# Altium PCB Grandmaster.PcbDoc (part 3 of 3)
Units mil, origin at the board's own origin, x right, y up, seen from the top; angles counter-clockwise.
Board outline 7087.6 x 4375.98 mil, 6 copper layers (TOP, SGND, IN1, IN2, SGND1, BOTTOM), stack 47.2 mil thick; 162 components, 146 nets, 938 pads, 430 vias.
Unrouted connection lines stored in the file: 225.
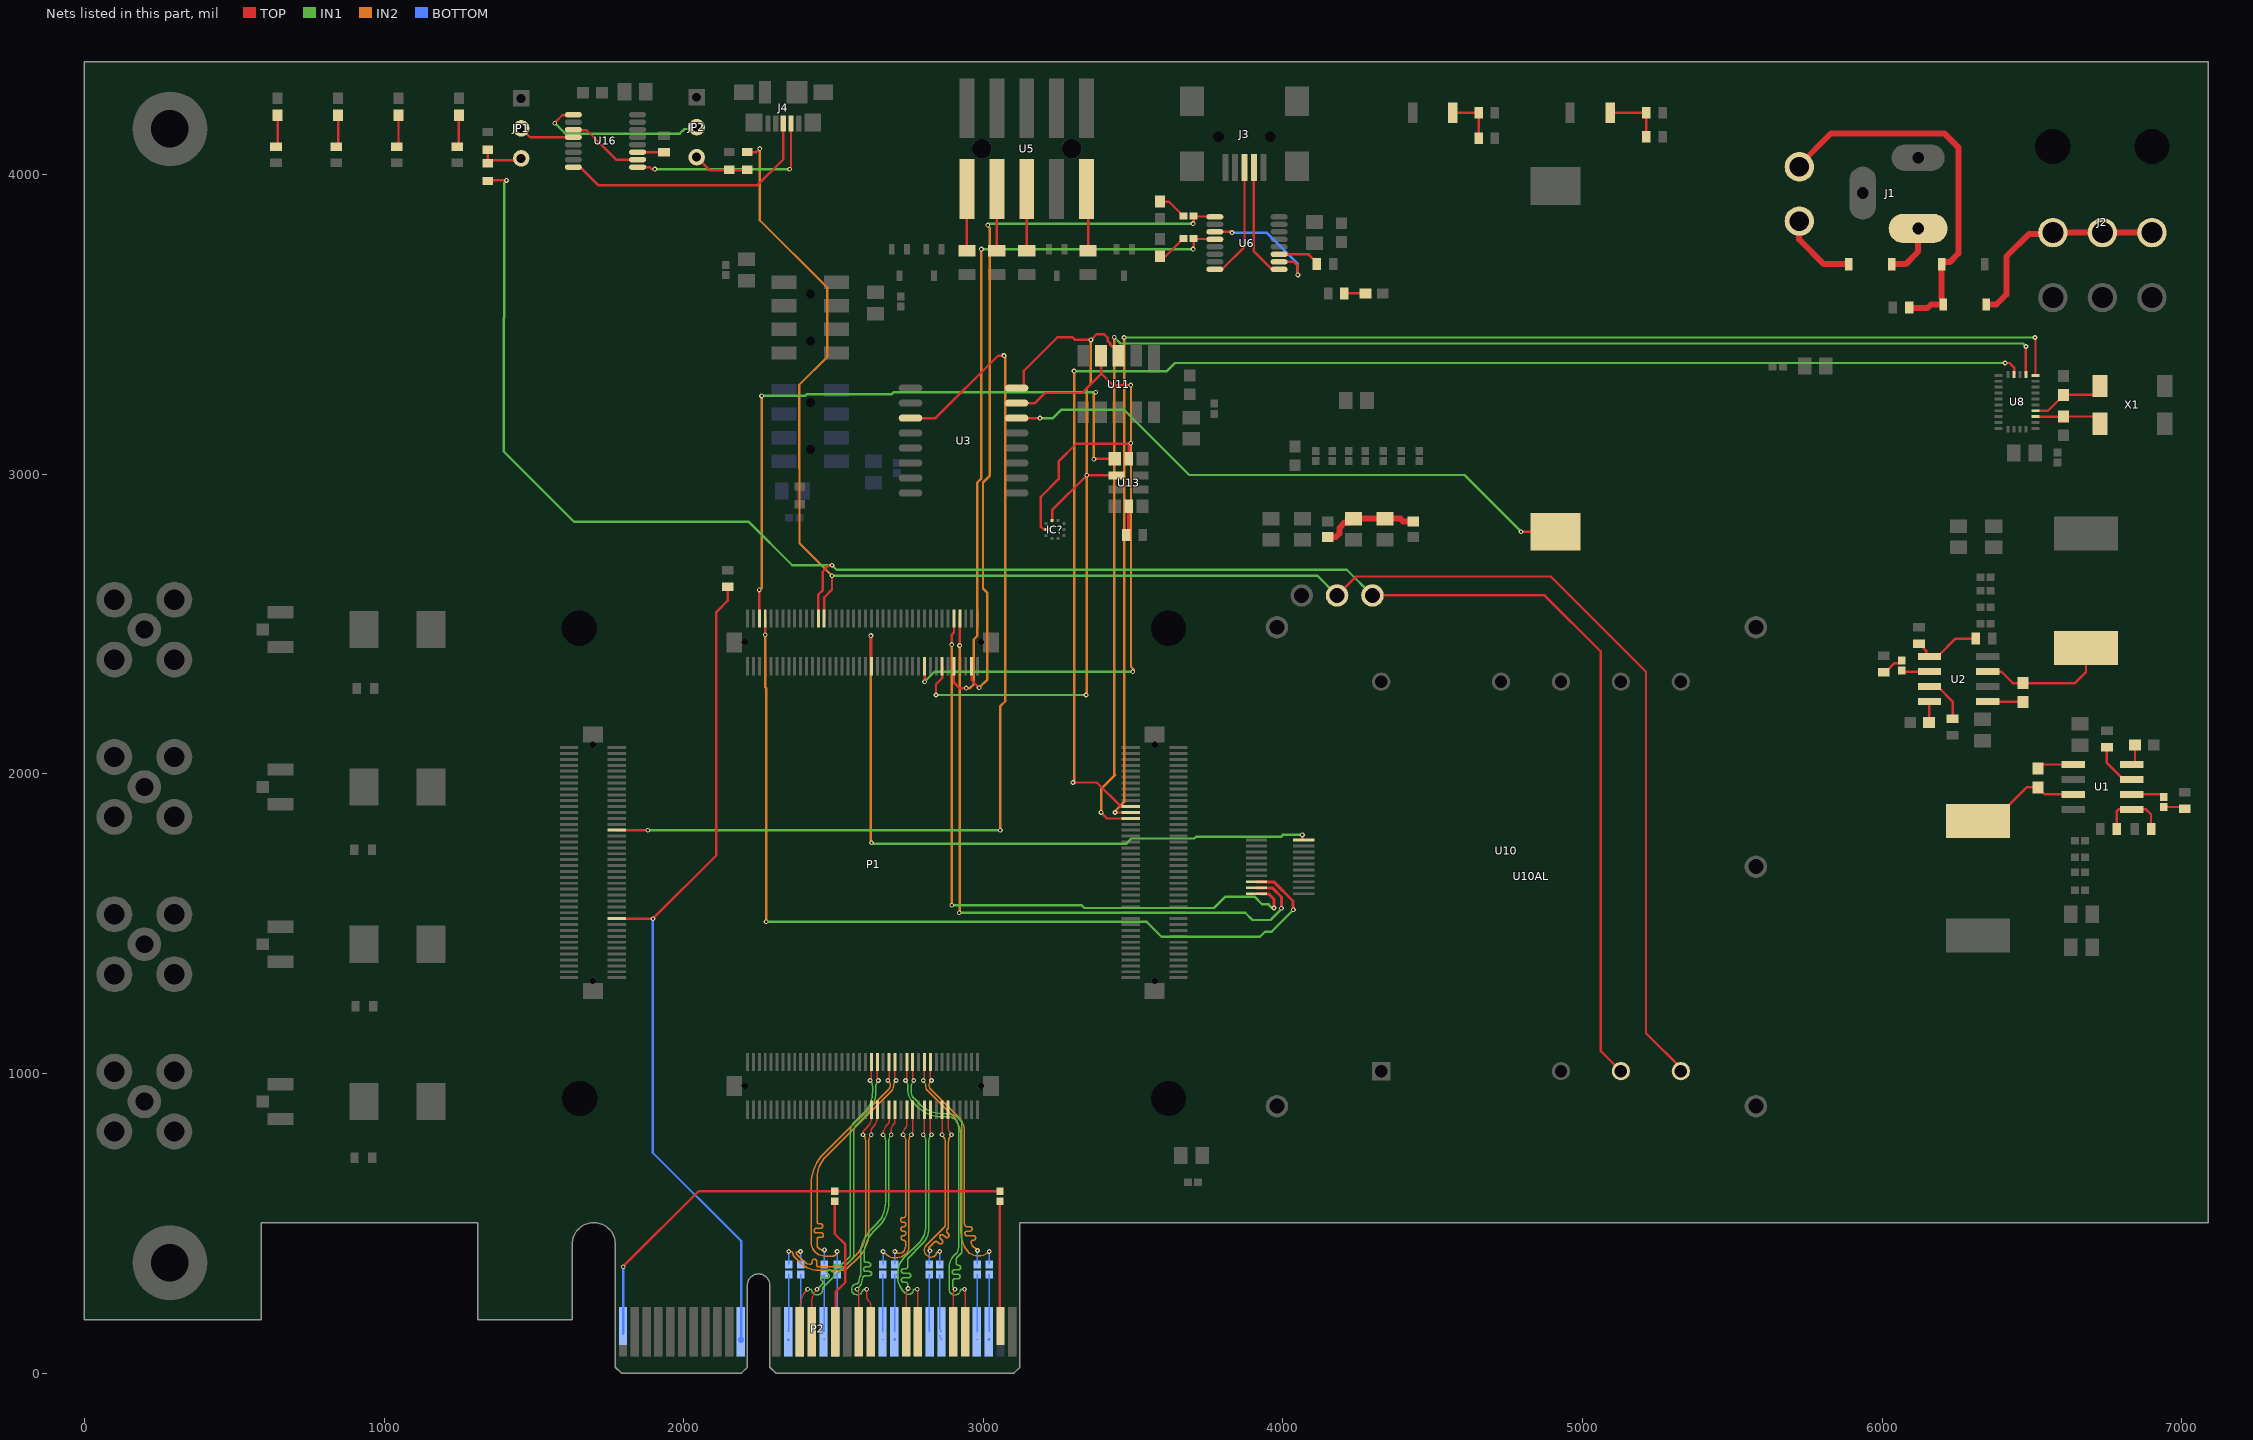
[diagram p7: the nets of this part, all layers, seen from the top]

## Via types
v1: diameter 16, hole 8, TOP to BOTTOM, 426 vias
v2: diameter 200, hole 125.98, TOP to BOTTOM, 4 vias

## Nets (pads, with @x,y where several pads share a name; then routed paths per layer and width w, separated by ;. In a path a pad name is that pad's centre, name@x,y a point inside that pad or via, vN(x,y) a via of type N, cw(c..) or ccw(c..) an arc to the next point about the centre after c; other vN are vias at no path point) (continued)
MAC_PPS_OUT-: P1.2-43 U10.19 | length 2267.8
  TOP w8: v1@2625.6,2461.82 v1(2624.84,2461.06) 2626.36,2459.54 P1.2-43@2626.36,2358.81 ; v1(4064.84,1796.06) 4064.84,1780.54 4065.76,1779.62 U10.19@4068.9,1779.62
  IN1 w8: v1(2626.84,1770.06) 2629.01,1770.06 2633.01,1766.06 3475.84,1766.06 3493.84,1784.06 3703.9,1784.06 3709.9,1790.06 3993.71,1790.06 3999.71,1796.06 v1(4064.84,1796.06)
  IN2 w8: v1(2624.84,2461.06) 2624.84,1777.72 2625.31,1777.25 2625.31,1771.59 v1(2626.84,1770.06)
MAC_RX: P1.2-28 R13.1 U10.P7 U10AL.6 | length 6085.6
  TOP w8: R13.1@2212.6,4074.8 2242.13,4074.8 v1(2253.94,4086.61) ; P1.2-28@2468.88,2518.25 2468.88,2588.85 2494.84,2614.81 v1(2494.84,2661.06) ; U10.P7@4180.51,2595.34 4243.64,2658.46 4893.7,2658.46 5211.61,2340.55 5211.61,1133.86 5327.76,1017.72 U10AL.6@5327.76,1007.48
  IN1 w8: v1(2494.84,2661.06) 4114.79,2661.06 U10.P7@4180.51,2595.34
  IN2 w8: v1(2253.94,4086.61) 2253.94,3847.44 2479.33,3622.05 2479.33,3391.73 2385.83,3298.23 2385.83,3019.69 2386.5,3019.01 2386.5,2769.41 v1(2494.84,2661.06)
MAC_TX: P1.2-26 R11.1 U10.P8 U10AL.5 | length 6539.1
  TOP w8: R11.1@1346.46,3978.35 1348.43,3980.32 v1(1408.46,3980.32) ; P1.2-26@2449.19,2518.25 2449.19,2597.81 2463.58,2612.2 2463.58,2674.21 2484,2694.63 2493.41,2694.63 v1(2494.84,2696.06) ; U10.P8@4298.62,2595.34 4873.16,2595.34 5061.02,2407.48 5061.02,1074.21 U10AL.5@5127.76,1007.48
  IN1 w8: v1(1408.46,3980.32) 1408.46,3979.5 1400.59,3971.63 1400.59,3523.52 1399.61,3522.54 1399.61,3075.79 1634.84,2840.55 2217.52,2840.55 2362.01,2696.06 v1(2494.84,2696.06) 2509.84,2681.06 4212.9,2681.06 U10.P8@4298.62,2595.34
MAC_USB+: P1.2-72 U10.2 | length 2165.5
  TOP w8: v1(2894.84,2431.06) 2894.84,2465 2901.95,2472.11 P1.2-72@2901.95,2518.25
  TOP w10: U10.2@3911.42,1599.62 3925.48,1599.62 3925.56,1599.54 3951.36,1599.54 3969.84,1581.06 v1(3969.84,1552.06)
  IN1 w8: v1(2894.84,1561.06) 3327.84,1561.06 3336.84,1552.06 3769.84,1552.06 3807.84,1590.06 3904.78,1590.06 3930.84,1564 3951.9,1564 3963.84,1552.06 v1(3969.84,1552.06)
  IN2 w8: v1(2894.84,1561.06) v1(2894.84,2431.06)
MAC_USB-: P1.2-74 U10.4 | length 2219.5
  TOP w8: v1(2920.84,2428.06) 2920.74,2428.17 2920.74,2517.36 P1.2-74@2921.63,2518.25
  TOP w10: U10.4@3911.42,1619.62 3911.5,1619.54 3964.36,1619.54 3994.84,1589.06 v1(3994.84,1551.06)
  IN1 w8: v1(2919.84,1536.06) 3873.78,1536.06 3897.78,1512.06 3958.13,1512.06 3989.84,1543.78 3989.84,1543.9 3994.84,1548.9 v1(3994.84,1551.06)
  IN2 w8: v1(2919.84,1536.06) 2920.84,1537.06 v1(2920.84,2428.06)
MAC_USB_PWR: P1.2-8 U10.6 | length 3009.9
  TOP w8: v1(2272.03,2463.87) P1.2-8@2272.03,2518.25
  TOP w10: U10.6@3911.42,1639.62 3911.5,1639.54 3969.36,1639.54 4033.69,1575.21 4033.69,1547.21 v1(4034.84,1546.06)
  IN1 w8: v1(2274.84,1506.06) 3544.84,1506.06 3594.84,1456.06 3922.84,1456.06 3939.84,1473.06 3961.84,1473.06 v1(4034.84,1546.06)
  IN2 w8: v1(2272.03,2463.87) 2272.03,2289.16 2274.84,2286.35 v1(2274.84,1506.06)
MISO: P1.1-23 U8.20 | length 4817.9
  TOP w8: v1(3439.25,1870.94) 3491.9,1870.94 P1.1-23@3492.02,1870.81 ; v1(6509.84,3456.06) 6511.36,3454.55 U8.20@6511.36,3329.65
  IN1 w8: v1(3469.84,3456.06) v1(6509.84,3456.06)
  IN2 w8: v1(3439.25,1870.94) 3439.25,1874.79 3438.91,1875.13 3469.84,1906.06 v1(3469.84,3456.06)
MOSI: P1.1-21 U8.17 | length 4779.6
  TOP w8: v1(3298.84,1971.06) 3378.48,1971.06 3459.04,1890.5 P1.1-21@3492.02,1890.5 ; v1(6409.84,3371.06) 6424.84,3371.06 6440,3355.91 U8.17@6440,3332.11
  IN1 w8: v1(3302.84,3344.06) 3612.56,3344.06 3639.56,3371.06 v1(6409.84,3371.06)
  IN2 w8: v1(3298.84,1971.06) 3298.84,1973.23 3302.84,1977.23 v1(3302.84,3344.06)
NetBT1_2: BT1.2 U3.14 | length 1984.5
  TOP w8: U3.14@3111.22,3187.2 3111.32,3187.11 3188.88,3187.11 v1(3188.98,3187.01) ; v1@4795.28,2809.06 v1(4794.29,2808.07) BT1.2@4909.45,2808.07 ; BT1.2@4884.84,2789.37 BT1.2@4887.8,2786.42
  IN1 w8: v1(3188.98,3187.01) 3232.28,3187.01 3260.83,3215.55 3468.5,3215.55 3687.01,2997.05 4605.31,2997.05 v1(4794.29,2808.07)
NetC3_1: C3.1 U2.1 | length 118.2
  TOP w8: U2.1@6352.28,2241.06 6468.35,2241.06 C3.1@6469.84,2239.57
NetC3_2: C3.2 L2.2 U2.3 | length 439.5
  TOP w8: U2.3@6352.28,2341.06 6397.13,2341.06 6435.63,2302.56 C3.2@6469.84,2302.56 6643.11,2302.56 6679.84,2339.29 L2.2@6679.84,2420.12
NetC4_1: C4.1 U1.1 | length 123.2
  TOP w8: C4.1@6519.84,2017.56 6533.35,2031.06 U1.1@6637.4,2031.06
NetC4_2: C4.2 L1.2 U1.3 | length 374.5
  TOP w8: L1.2@6319.84,1842.01 6369.06,1842.01 6481.61,1954.57 C4.2@6519.84,1954.57 6519.84,1953.58 6542.36,1931.06 U1.3@6637.4,1931.06
NetC19_2: C19.2 U1.8 | length 71.8
  TOP w8: U1.8@6832.28,2031.06 6836.13,2031.06 6843.35,2038.28 C19.2@6843.35,2096.06
NetC20_1: C20.1 U1.6 | length 110.9
  TOP w8: U1.6@6832.28,1931.06 6931.77,1931.06 C20.1@6939.84,1922.99
NetC20_2: C20.2 R8.2 | length 72.2
  TOP w8: C20.2@6939.84,1889.13 7004.61,1889.13 R8.2@7009.84,1883.9
NetC21_2: C21.2 U2.8 | length 70.4
  TOP w8: C21.2@6156.34,2171.06 6156.34,2240 U2.8@6157.4,2241.06
NetC22_1: C22.1 U2.6 | length 93.8
  TOP w8: C22.1@6064.84,2344.13 6067.91,2341.06 U2.6@6157.4,2341.06
NetC22_2: C22.2 R9.2 | length 76.2
  TOP w8: R9.2@6004.84,2338.9 6010.35,2338.9 6040.98,2369.52 6056.37,2369.52 C22.2@6064.84,2377.99
NetC44_1: C44.1 P2.A13 | length 194.3
  BOTTOM w5: P2.A13@2348.43,137.8 ccw(c2345,141.22) 2349.84,141.22 C44.1@2349.84,329.13 ccw(c2351.36,327.61) C44.1@2349.21,327.61
  BOTTOM w8: P2.A13@2349.21,111.06 P2.A13@2349.84,111.69
NetC45_1: C45.1 P2.A14 | length 191.9
  BOTTOM w5: P2.A14@2387.8,137.8 ccw(c2382.85,142.74) 2389.84,142.74 C45.1@2389.84,329.13
NetC46_1: C46.1 P2.A16 | length 196
  BOTTOM w5: P2.A16@2466.54,137.8 ccw(c2460.96,143.37) 2468.84,143.37 C46.1@2468.84,329.13 ; P2.A16@2467.33,111.07 ccw(c2463.65,114.73) P2.A16@2468.84,114.73
NetC47_1: C47.1 P2.A17 | length 192.9
  BOTTOM w5: P2.A17@2505.91,137.8 ccw(c2491.57,152.13) 2511.84,152.13 C47.1@2511.84,329.13
NetC48_1: C48.1 P2.A21 | length 193.5
  BOTTOM w5: P2.A21@2663.39,137.8 ccw(c2659.87,141.31) 2664.84,141.31 C48.1@2664.84,329.13 ; P2.A21@2664.17,111.06 ccw(c2662.55,112.68) P2.A21@2664.84,112.68
NetC49_1: C49.1 P2.A22 | length 197.2
  BOTTOM w5: P2.A22@2702.76,137.8 ccw(c2697.72,142.83) 2704.84,142.83 C49.1@2704.84,329.13 ; P2.A22@2703.54,111.06 ccw(c2700.4,114.2) P2.A22@2704.84,114.2
  BOTTOM w8: P2.A22@2703.54,111.06 P2.A22@2704.84,112.36
NetC50_1: C50.1 P2.A25 | length 196.5
  BOTTOM w5: P2.A25@2820.87,137.8 cw(c2823.33,140.26) 2819.84,140.26 C50.1@2819.84,329.13 cw(c2815.47,324.76) C50.1@2821.65,324.76
NetC51_1: C51.1 P2.A26 | length 209.4
  BOTTOM w5: P2.A26@2854.84,125.98 ccw(c2875.94,125.98) P2.A26@2861,111.08 ; C51.1@2854.84,329.13 2854.84,150.81 ccw(c2873.25,150.81) P2.A26@2860.24,137.8
NetC52_1: C52.1 P2.A29 | length 195.5
  BOTTOM w5: P2.A29@2978.35,137.8 ccw(c2974.73,141.41) 2979.84,141.41 C52.1@2979.84,329.13 ccw(c2981.56,327.42) C52.1@2979.13,327.42 ; P2.A29@2979.13,111.06 ccw(c2977.42,112.78) P2.A29@2979.84,112.78
NetC53_1: C53.1 P2.A30 | length 197.4
  BOTTOM w5: P2.A30@3017.72,137.8 ccw(c3012.58,142.93) 3019.84,142.93 C53.1@3019.84,329.13 ccw(c3023.08,325.9) C53.1@3018.5,325.9
  BOTTOM w8: P2.A30@3018.5,111.06 P2.A30@3019.84,112.4
NetC72_2: C72.2 C73.2 FB2.2 FB3.1 | length 325.1
  TOP w20: FB3.1@4149.84,2789.88 4150.02,2790.06 4176.13,2790.06 4187.84,2801.78 4187.84,2820.06 4206.64,2838.86 4222.2,2838.86 C73.2@4234.84,2851.5 C72.2@4339.84,2851.5 4391.84,2851.5 4401.09,2842.24 FB2.2@4434.84,2842.24
NetC85_2: C85.2 U8.27 X1.1 | length 227.4
  TOP w8: U8.27@6511.36,3191.85 6604.13,3191.85 C85.2@6604.84,3192.56 6704.98,3192.56 6726.57,3170.97 X1.1@6726.57,3168.07
NetC86_2: C86.2 U8.26 X1.4 | length 254.6
  TOP w8: U8.26@6511.36,3211.54 6552.8,3211.54 6604.84,3263.58 C86.2@6604.84,3264.57 6704.98,3264.57 6726.57,3286.16 X1.4@6726.57,3294.06
NetD1_1: D1.1 SW1.2 | length 272
  TOP w20: SW1.2@5722.05,3844.49 5722.05,3783.86 5804.84,3701.06 5880.12,3701.06 5887.99,3708.94 D1.1@5887.99,3701.06
NetD1_2: D1.2 J1.1 | length 182.3
  TOP w20: D1.2@6031.69,3701.06 6077.84,3701.06 6119.84,3743.06 J1.1@6119.84,3819.84
NetD2_1: D2.1 D3.1 F1.1 SW1.1 | length 1292.4
  TOP w20: SW1.1@5725.39,4033.46 5829.09,4137.17 6207.32,4137.17 6253.94,4090.55 6253.94,3736.22 6226.33,3708.61 6200.79,3708.61 6197.99,3705.82 D3.1@6197.99,3701.06 6197.99,3588.45 6200.2,3586.24 6200.2,3568.86 D2.1@6202.99,3566.06 6162.84,3566.06 6150.84,3554.06 6094.18,3554.06 6094.18,3565.75 6090.01,3561.57 F1.1@6090.01,3556.06
NetD2_2: D2.2 J2.1 J2.2 J2.3 | length 727.3
  TOP w20: D2.2@6346.69,3566.06 6381.02,3566.06 6414.37,3599.41 6414.37,3726.38 6490.28,3802.28 6565.71,3802.28 J2.1@6569.49,3806.06 J2.2@6734.84,3806.06 J2.3@6900.2,3806.06
NetD4_1: D4.1 R1.2 | length 70.7
  TOP w8: R1.2@4204.92,3603.35 D4.1@4275.59,3603.35
NetD9_1: D9.1 R25.2 | length 98.4
  TOP w8: D9.1@3589.84,3909.61 3618.58,3909.61 3667.13,3861.06 R25.2@3668.11,3861.06
NetD10_1: D10.1 R26.2 | length 102.5
  TOP w8: D10.1@3589.84,3727.52 3608.58,3727.52 3667.13,3786.06 R26.2@3668.11,3786.06
NetD11_1: D11.1 R28.2 | length 106.7
  TOP w8: R28.2@638.97,4093.23 644.84,4099.1 D11.1@644.84,4197.52
NetD12_1: D12.1 R29.2 | length 101.7
  TOP w8: R29.2@840.64,4093.23 846.51,4099.1 D12.1@846.51,4192.52
NetD13_1: D13.1 R30.2 | length 101.7
  TOP w8: R30.2@1042.3,4093.23 1048.18,4099.1 D13.1@1048.18,4192.52
NetD14_1: D14.1 R31.2 | length 101.7
  TOP w8: R31.2@1243.97,4093.23 1249.84,4099.1 D14.1@1249.84,4192.52
NetJ3_2: J3.2 U6.9 | length 389.2
  TOP w8: J3.2@3902.95,4023.7 3902.95,3743.55 3958.8,3687.7 3960.67,3687.7 3964.81,3683.56 U6.9@3987.13,3683.56
NetJ3_3: J3.3 U6.8 | length 395.3
  TOP w8: U6.8@3772.56,3683.56 3794.87,3683.56 3799.02,3687.7 3800.88,3687.7 3871.46,3758.28 J3.3@3871.46,4023.7
NetJ4_2: J4.2 U16.9 | length 664.7
  TOP w8: U16.9@1846.13,4024.56 1886.85,4024.56 1893.35,4018.06 v1(1903.84,4018.06) ; v1(2353.35,4017.72) 2358.16,4022.53 J4.2@2358.16,4170.34
  IN1 w8: v1(1903.84,4018.06) 1904.19,4017.72 v1(2353.35,4017.72)
NetJ4_3: J4.3 U16.8 | length 881.8
  TOP w8: U16.8@1631.56,4024.56 1653.87,4024.56 1658.73,4019.7 1659.2,4019.7 1715.32,3963.58 2245.08,3963.58 2332.57,4051.07 J4.3@2332.57,4170.34
NetJP1_2: JP1.2 U16.4 | length 186
  TOP w8: JP1.2@1457.68,4153.94 1487.05,4124.56 U16.4@1631.56,4124.56
NetJP1_3: JP1.3 R10.2 R11.2 | length 163.3
  TOP w8: R10.2@1346.46,4082.68 R11.2@1346.46,4037.4 1356.24,4047.18 1450.92,4047.18 JP1.3@1457.68,4053.94
NetJP2_2: JP2.2 U16.1 | length 569.2
  TOP w8: v1(1569.88,4171.26) 1569.88,4173.23 1594.36,4197.7 1629.7,4197.7 U16.1@1631.56,4199.56
  IN1 w8: v1(1569.88,4171.26) 1605.08,4136.06 1986.37,4136.06 2002.37,4152.06 JP2.2@2043.31,4152.06
NetJP2_3: JP2.3 R12.2 R13.2 | length 185.2
  TOP w8: JP2.3@2043.31,4057.87 2086.42,4014.76 2151.57,4014.76 R13.2@2210.63,4014.76
NetP2_B17: P2.B17 R23.2 | length 464.6
  TOP w8: R23.2@2503.94,573.82 2503.94,464.57 2539.37,429.13 2539.37,303.15 2507.87,271.65 2507.87,139.76 P2.B17@2505.91,137.8
NetP2_B31: P2.B31 R24.2 | length 422.9
  TOP w8: R24.2@3053.15,571.85 R24.2@3055.12,573.82 3055.12,159.26 P2.B31@3057.09,157.3 ; P2.B31@3057.87,130.56 P2.B31@3059.84,132.53
NetR2_1: R2.1 U1.7 | length 158.1
  TOP w8: R2.1@6749.84,2088.9 6749.84,2035.94 6804.72,1981.06 U1.7@6832.28,1981.06
NetR3_1: R3.1 U2.7 | length 156.1
  TOP w8: U2.7@6157.4,2291.06 6184.96,2291.06 6234.84,2241.18 R3.1@6234.84,2183.23
NetR4_2: R4.2 R6.2 U1.5 | length 259.2
  TOP w8: R6.2@6782.01,1816.06 6782.01,1874.53 6788.54,1881.06 U1.5@6832.28,1881.06 ; U1.5@6804.72,1881.06 U1.5@6832.28,1881.06 ; R4.2@6897.01,1816.06 6897.01,1864.8 6880.75,1881.06 U1.5@6832.28,1881.06
NetR5_1: R5.1 R7.2 U2.5 | length 242.3
  TOP w8: R5.1@6122.84,2433.9 6128.35,2433.9 6138.53,2423.72 6138.53,2418.21 6147.14,2409.6 6147.14,2398.28 6154.36,2391.06 U2.5@6157.4,2391.06 6184.96,2391.06 6244.96,2451.06 R7.2@6312.68,2451.06
NetR18_2: R18.2 U5.1 | length 205.6
  TOP w8: R18.2@2944.84,3745.43 U5.1@2944.84,3951.06
NetR19_2: R19.2 U5.3 | length 205.6
  TOP w8: R19.2@3044.84,3745.43 U5.3@3044.84,3951.06
NetR20_2: R20.2 U5.5 | length 205.6
  TOP w8: R20.2@3144.84,3745.43 U5.5@3144.84,3951.06
NetR21_2: R21.2 U5.9 | length 207.7
  TOP w8: U5.9@3344.84,3951.06 3349.84,3946.06 R21.2@3349.84,3745.43
NetR27_2: R27.2 U6.11 | length 142.2
  TOP w8: U6.11@3987.13,3733.56 4085.69,3733.56 4112.68,3706.57 R27.2@4112.68,3701.06
NetR32_1: R32.1 R34.2 S5.2 | length 170.9
  TOP w8: S5.2@4566.77,4206.06 R32.1@4652.68,4206.06 R34.2@4652.68,4121.06
NetR33_1: R33.1 R35.2 S6.2 | length 200.9
  TOP w8: S6.2@5091.77,4206.06 R33.1@5212.68,4206.06 R35.2@5212.68,4126.06
NetR42_1: R42.1 U13.5 | length 98.2
  TOP w10: R42.1@3477.68,2797.06 3484.84,2804.23 U13.5@3484.84,2892.34
NetR43_2: R43.2 U16.11 | length 87.9
  TOP w8: U16.11@1846.13,4074.56 1933.51,4074.56 R43.2@1933.84,4074.9
NetU6_3: U6.3 U6.10 | length 455.8
  TOP w8: U6.3@3772.56,3808.56 3827.34,3808.56 v1(3829.84,3806.06) ; U6.10@3987.13,3708.56 4035.85,3708.56 4049.84,3694.57 v1(4049.84,3665.06)
  BOTTOM w8: v1(3829.84,3806.06) 3944.84,3806.06 4049.84,3701.06 v1(4049.84,3665.06)
NetU16_3: U16.3 U16.10 | length 256
  TOP w8: U16.3@1631.56,4149.56 1633.42,4147.7 1676.2,4147.7 1774.34,4049.56 U16.10@1846.13,4049.56
OE_5356: P1.2-6 U13.1 | length 2171
  TOP w8: P1.2-6@2252.34,2518.25 v1(2252.34,2613.56) ; v1(3368.84,3050.06) 3371.01,3050.06 3372.73,3051.79 U13.1@3438.58,3051.79
  IN1 w8: v1(2259.84,3261.06) 2405.58,3261.06 2411.18,3266.65 2693.63,3266.65 2700.04,3273.06 v1(3374.84,3273.06) 3373.31,3271.53 3367.65,3271.53 3366.69,3270.56
  IN2 w8: v1(2252.34,2613.56) 2259.84,2621.06 v1(2259.84,3261.06) ; v1(3368.84,3050.06) 3368.84,3264.9 3374.84,3270.9 v1(3374.84,3273.06)
PCIE_CLK_N: C45.2 P1.4-38 | length 825.7
  TOP w5: v1(2598.43,795.28) cw(c2626.94,795.28) 2606.78,815.44 2618.11,826.77 ccw(c2598.16,846.72) 2626.37,846.72 P1.4-38@2626.37,878.87
  IN2 w5: v1(2389.76,405.51) cw(c2388.16,407.12) 2388.16,404.85 2380.58,404.85 ccw(c2380.58,399.85) 2377.04,403.38 ccw(c2380.58,399.85) 2375.58,399.85 ccw(c2380.58,399.85) 2377.04,396.31 2397.3,376.05 ccw(c2449.75,428.5) 2409.45,366.23 ccw(c2449.75,428.5) 2411.95,364.68 2419.07,362.73 ccw(c2421.05,369.97) 2428.55,369.97 2428.55,372.22 cw(c2436.05,372.22) 2443.55,372.22 2443.55,361.75 ccw(c2451.05,361.75) 2449.07,354.52 2449.75,354.33 2460.63,354.33 2468.55,354.33 2535.43,354.33 2577.42,396.31 ccw(c2506.7,467.02) 2606.7,467.02 2606.7,775.14 ccw(c2578.44,775.14) 2598.43,795.13 v1(2598.43,795.28)
  BOTTOM w5: v1(2389.76,405.51) 2389.76,363.07 C45.2@2389.84,362.99
PCIE_CLK_P: C44.2 P1.4-36 | length 828.6
  TOP w5: v1(2625.98,795.28) 2625.98,809.39 cw(c2639.43,809.39) 2629.92,818.9 ccw(c2590.98,857.84) 2646.05,857.84 P1.4-36@2646.05,878.87
  IN2 w5: v1(2350.39,405.51) ccw(c2352,407.12) 2352,404.85 2359.58,404.85 cw(c2359.58,399.85) 2363.11,403.38 cw(c2359.58,399.85) 2364.58,399.85 2364.58,397.57 ccw(c2375.08,397.57) 2367.65,390.15 2389.63,368.17 ccw(c2449.59,428.12) 2449.59,343.33 2535.48,343.33 ccw(c2535.48,354.21) 2543.18,346.52 2585.23,388.57 ccw(c2506.84,466.97) 2617.7,466.97 2617.7,775.14 cw(c2645.97,775.14) 2625.98,795.13 v1(2625.98,795.28)
  BOTTOM w5: C44.2@2349.84,362.99 ccw(c2348.51,364.32) 2350.39,364.32 v1(2350.39,405.51)
PCIE_PERST: P1.3-21 P2.A11 R22.1 | length 2867.4
  TOP w8: P1.3-21@1776.55,1516.52 v1(1897.3,1516.52) 2108.84,1728.06 2108.84,2540.06 2146.84,2578.06 R22.1@2146.84,2624.9 R22.1@2141.33,2624.9
  BOTTOM w8: v1(1897.3,1516.52) 1896.84,1516.06 1896.84,735.06 2191.73,440.17 P2.A11@2191.73,111.06
  BOTTOM w20: P2.A11@2190.61,112.19 P2.A11@2191.73,111.06
PCIE_RX0_N: P1.4-37 P2.B15 | length 1072
  TOP w5: P2.B15@2418.84,133.06 ccw(c2449.95,133.06) P2.B15@2427.95,111.06 ; P2.B15@2427.17,137.8 2427.17,236.76 cw(c2487.65,236.76) v1(2444.88,279.53) ; v1(2622.05,976.38) ccw(c2622.05,980.7) 2626.37,980.7 P1.4-37@2626.37,1038.31
  IN1 w5: v1(2444.88,279.53) 2460.63,295.28 2462.4,297.04 ccw(c2457.09,302.35) 2462.4,307.65 2459.1,310.95 cw(c2464.41,316.25) 2459.1,321.55 cw(c2464.41,316.25) 2469.71,321.55 2473,318.26 ccw(c2478.31,323.56) 2483.61,318.26 ccw(c2478.31,323.56) 2483.61,328.86 2481.14,331.33 cw(c2486.45,336.64) 2481.14,341.94 cw(c2486.45,336.64) 2491.75,341.94 2494.22,339.47 ccw(c2499.52,344.77) 2504.82,339.47 ccw(c2499.52,344.77) 2504.82,350.08 cw(c2510.13,355.38) 2504.82,360.68 cw(c2510.13,355.38) 2515.43,360.68 ccw(c2520.73,365.99) 2526.04,360.68 2543.59,378.24 2553.72,388.36 ccw(c2548.38,393.7) 2555.93,393.7 2555.93,802.55 cw(c2606.86,802.55) 2570.85,838.56 2601.04,868.75 ccw(c2530.33,939.46) 2630.33,939.46 2630.33,956.24 ccw(c2602.06,956.24) 2622.05,976.23 v1(2622.05,976.38)
PCIE_RX0_P: P1.4-35 P2.B14 | length 1047.6
  TOP w5: P2.B14@2387.8,137.8 2387.8,217.75 cw(c2475.17,217.75) v1(2413.39,279.53) ; P1.4-35@2646.05,1038.31 2646.05,979.93 ccw(c2649.61,979.93) v1(2649.61,976.38)
  IN1 w5: v1(2413.39,279.53) 2421.89,279.53 cw(c2421.92,274.53) 2426.81,275.59 ccw(c2444.88,279.53) 2463.3,281.25 cw(c2468.28,281.71) 2464.73,285.24 2563.39,383.89 ccw(c2554.48,392.78) 2566.93,390.94 2566.93,802.55 cw(c2606.93,802.52) 2578.64,830.8 2608.85,861.01 ccw(c2530.46,939.41) 2641.33,939.41 2641.33,956.24 cw(c2669.59,956.24) 2649.61,976.23 v1(2649.61,976.38)
PCIE_RX1_N: P1.4-32 P2.B20 | length 892.1
  TOP w5: v1(2610.24,279.53) 2610.24,259.17 ccw(c2637.12,259.17) 2618.11,240.16 cw(c2603.85,225.9) 2624.02,225.9 P2.B20@2624.02,137.8 ; P2.B20@2612.84,139.94 ccw(c2653.68,139.94) P2.B20@2624.8,111.06 ; v1(2665.35,795.28) cw(c2712.88,795.28) 2679.26,828.87 ; 2679.27,828.88 2681.1,830.71 ccw(c2670.67,841.14) 2685.42,841.14 P1.4-32@2685.42,878.87
  IN1 w5: v1(2610.24,279.53) 2604.64,279.53 ccw(c2604.64,264.73) 2600.06,278.8 ccw(c2601.59,274.04) 2596.74,275.27 2596.72,275.19 cw(c2578.74,279.53) 2577.23,297.97 ccw(c2576.82,302.95) 2581.16,300.46 cw(c2620.76,277.78) 2583.32,303.88 ccw(c2579.22,306.74) 2584.08,305.54 2587.93,320.74 cw(c2604.91,316.53) 2589.47,324.77 ccw(c2585.06,327.12) 2590.06,327.12 2590.06,404.43 cw(c2595.06,404.43) 2590.08,404.83 cw(c2697.82,396.31) 2608.51,457.17 cw(c2699.5,406.62) 2625.9,480.23 2644.34,498.68 ccw(c2573.63,569.39) 2673.63,569.39 2673.63,775.14 ccw(c2645.37,775.14) 2665.35,795.13 v1(2665.35,795.28)
PCIE_RX1_P: P1.4-30 P2.B19 | length 879.8
  TOP w5: P2.B19@2575.84,134.22 ccw(c2608.58,134.22) P2.B19@2585.43,111.06 ; v1(2578.74,279.53) cw(c2564.48,265.27) 2584.65,265.27 P2.B19@2584.65,137.8 ; v1(2692.91,795.28) 2692.91,811.7 cw(c2719.8,811.7) 2700.79,830.71 ccw(c2690.35,841.15) 2705.11,841.15 P1.4-30@2705.11,878.87
  IN1 w5: v1(2578.74,279.53) ccw(c2521.71,336.56) 2591,295.28 ccw(c2521.71,336.56) 2592.43,297.78 2597.64,318.37 cw(c2604.91,316.53) 2604.91,324.03 2619.73,324.03 ccw(c2619.73,331.53) 2619.73,339.03 2607.56,339.03 cw(c2607.56,346.53) 2607.56,354.03 2616.09,354.03 ccw(c2616.09,361.53) 2616.09,369.03 2609.86,369.03 cw(c2609.86,376.53) 2602.36,376.53 2602.36,387.26 2602.36,389.76 2602.36,396.82 cw(c2709.57,396.73) 2633.76,472.54 2652.16,490.94 ccw(c2573.77,569.33) 2684.63,569.33 2684.63,775.14 cw(c2712.9,775.14) 2692.91,795.13 v1(2692.91,795.28)
PCIE_RX2_N: P1.4-20 P2.B24 | length 874.3
  TOP w5: P2.B24@2772.84,133.85 ccw(c2805.07,133.85) 2782.28,111.06 cw(c2783.34,112.13) P2.B24@2781.84,112.13 ; v1(2779.53,279.53) cw(c2774.78,274.78) 2781.5,274.78 P2.B24@2781.5,137.8 ; v1(2799.21,795.28) ccw(c2788.78,805.7) 2803.53,805.7 P1.4-20@2803.53,878.87
  IN1 w5: 2737.42,267.41 cw(c2799.54,327.61) 2713.04,327.55 cw(c2797.85,327.51) 2737.9,387.51 2787.4,437.01 ccw(c2738.9,485.51) 2807.49,485.51 2807.49,775.14 ccw(c2779.22,775.14) 2799.21,795.13 v1(2799.21,795.28) ; 2737.44,267.39 ccw(c2749.57,279.19) 2766.11,275.59 cw(c2770.99,274.53) 2771.03,279.53 v1(2779.53,279.53)
PCIE_RX2_P: P1.4-18 P2.B23 | length 859.3
  TOP w5: P2.B23@2740.84,113.13 2742.91,111.06 P2.B23@2745.84,113.99 ; P2.B23@2742.13,137.8 2742.13,265.27 cw(c2762.29,265.27) v1@2746.86,278.25 ; v1@2746.88,278.27 ccw(c2743.03,281.47) 2747.7,279.68 2748.36,281.41 cw(c2753.03,279.62) 2748.71,282.14 v1(2748.82,282.31) ; P1.4-18@2823.22,878.87 2823.22,803.84 ccw(c2835.34,803.84) v1(2826.77,795.28)
  IN1 w5: v1(2748.82,282.31) cw(c2753.03,285) 2748.03,285.01 2748.04,289.37 2748.04,291.87 2748.04,295.61 ccw(c2740.54,295.62) 2740.54,303.12 2733.91,303.12 cw(c2733.91,310.62) 2733.91,318.12 2750.55,318.12 ccw(c2750.55,325.62) 2750.55,333.12 2733.93,333.12 cw(c2733.93,340.62) 2733.93,348.12 2740.56,348.12 ccw(c2740.56,355.62) 2748.06,355.61 2748.07,377.55 2748.07,380.05 cw(c2753.07,380.05) 2749.54,383.59 2795.21,429.26 ccw(c2739.02,485.46) 2818.49,485.46 2818.49,775.14 cw(c2846.76,775.14) 2826.77,795.13 v1(2826.77,795.28)
PCIE_RX3_N: P1.4-25 P2.B28 | length 1133.8
  TOP w5: v1(2740.16,976.38) ccw(c2740.16,980.7) 2744.48,980.7 P1.4-25@2744.48,1038.31 ; P2.B28@2931.84,118.98 P2.B28@2939.76,111.06 ; v1(2937.01,279.53) cw(c2932.26,274.78) 2938.98,274.78 P2.B28@2938.98,137.8
  TOP w8: P2.B28@2928.98,161.94 ccw(c2963.12,161.94) P2.B28@2938.98,137.8
  IN1 w5: v1(2740.16,976.38) 2740.16,976.23 cw(c2720.17,956.24) 2748.44,956.24 2748.44,940.89 ccw(c2796.35,940.89) 2762.47,907.01 2781.86,887.63 ccw(c2860.28,966.05) 2860.28,855.14 2881.89,855.14 cw(c2881.89,819.08) 2907.39,844.58 cw(c2883.41,820.6) 2917.32,820.6 2917.32,419.2 2917.32,419.13 cw(c2882.98,419.22) 2912.71,402.03 cw(c2908.38,404.53) 2911.19,400.39 2911.14,400.36 ccw(c2943.67,352.53) 2885.83,352.6 ; 2885.83,352.55 2885.83,276.14 ccw(c2890.83,276.14) 2885.98,274.9 ccw(c2904.7,279.68) 2923.57,275.59 cw(c2928.46,274.53) 2928.49,279.53 v1(2937.01,279.53)
PCIE_RX3_P: P1.4-23 P2.B27 | length 1106.4
  TOP w5: P1.4-23@2764.16,1038.31 2764.16,979.93 ccw(c2767.72,979.93) v1(2767.72,976.38) ; P2.B27@2899.61,137.8 2899.61,265.27 cw(c2919.77,265.27) v1(2905.49,279.51) ; P2.B27@2900.39,111.06 P2.B27@2907.84,118.51
  IN1 w5: v1(2767.72,976.38) 2767.72,976.23 ccw(c2787.7,956.24) 2759.44,956.24 2759.44,940.94 ccw(c2796.48,940.94) 2770.29,914.75 2789.61,895.43 ccw(c2860.32,966.14) 2860.32,866.14 2881.94,866.14 cw(c2881.94,819.2) 2915.13,852.39 2925.1,842.42 cw(c2917.32,834.65) 2928.32,834.65 2928.32,404.5 cw(c2923.32,404.5) 2926.85,400.95 2926.43,400.53 2923.93,398.03 2910.58,384.69 2909.12,381.15 2909.12,366.94 ccw(c2916.62,366.94) 2916.62,359.44 cw(c2916.62,351.94) 2916.62,344.44 2903.33,344.44 ccw(c2903.33,336.94) 2903.33,329.44 2915.01,329.44 cw(c2915.01,321.94) 2915.01,314.44 2905.14,314.44 ccw(c2905.14,306.94) 2897.64,306.94 2897.64,291.94 2897.64,289.44 ccw(c2902.64,289.44) 2899.1,285.9 v1(2905.49,279.51)
PCIE_TX0_N: C47.2 P1.4-31 | length 873.7
  TOP w5: v1(2681.1,976.38) ccw(c2681.1,980.7) 2685.42,980.7 P1.4-31@2685.42,1038.31
  IN2 w5: 2478.24,390.21 2471.73,390.21 cw(c2471.73,436.75) 2425.2,436.75 2425.2,630.8 cw(c2565.72,630.77) 2466.35,730.13 2466.39,730.17 2476.38,740.16 2684.15,947.93 ccw(c2671.53,960.56) 2689.38,960.56 ccw(c2671.53,960.56) 2684.15,973.18 2681.1,976.23 v1(2681.1,976.38) ; 2478.28,390.21 2496.51,390.21 ccw(c2496.51,405.51) v1(2511.81,405.51)
  BOTTOM w5: C47.2@2511.81,363.02 v1(2511.81,405.51)
PCIE_TX0_P: C46.2 P1.4-29 | length 874.1
  TOP w5: P1.4-29@2705.11,1038.31 2705.11,979.93 ccw(c2708.66,979.93) v1(2708.66,976.38)
  IN2 w5: v1(2469.88,410.99) 2469.64,410.9 cw(c2464.35,427.3) 2453.16,414.19 2446.8,419.62 cw(c2450.2,423.71) 2444.88,423.76 2444.88,428.15 2444.88,445.65 cw(c2452.38,445.65) 2452.38,453.15 2458.83,453.15 ccw(c2458.83,460.65) 2458.83,468.15 2442.7,468.15 cw(c2442.7,475.65) 2442.7,483.15 2456.73,483.15 ccw(c2456.73,490.65) 2456.73,498.15 2452.38,498.15 cw(c2452.38,505.65) 2444.88,505.65 2444.88,562.01 2444.88,651.68 cw(c2544.88,651.68) 2474.17,722.39 2484.16,732.38 2693.54,941.77 ccw(c2677.03,958.28) 2700.38,958.28 cw(c2723.73,958.28) 2707.22,974.79 2708.66,976.23 v1(2708.66,976.38)
  BOTTOM w5: C46.2@2468.84,362.99 2468.5,363.33 2468.5,405.01 2468.53,407.62 cw(c2473.53,407.57) v1(2469.88,410.99) v1(2469.88,410.99)
PCIE_TX1_N: C49.2 P1.4-26 | length 616
  TOP w5: v1(2732.28,795.28) v1@2732.28,799.69 ; v1@2732.28,799.72 cw(c2759.58,799.72) 2740.28,819.02 ccw(c2730.13,829.17) 2744.48,829.17 P1.4-26@2744.48,878.87
  IN2 w5: v1(2704.72,405.51) ccw(c2719.1,420.06) 2734.06,406.11 ccw(c2719.1,420.06) 2735.36,407.65 ; v1(2732.28,795.28) 2732.28,795.13 cw(c2712.29,775.14) 2740.56,775.14 2740.56,543.45 2740.56,525.95 cw(c2733.06,525.95) 2733.06,518.45 2731.04,518.45 ccw(c2731.04,510.95) 2731.04,503.45 2734.06,503.45 cw(c2734.06,495.95) 2734.06,488.45 2732.22,488.45 ccw(c2732.22,480.95) 2732.22,473.45 2734.06,473.45 cw(c2734.06,465.95) 2734.06,458.45 2733.06,458.45 ccw(c2733.06,450.95) 2733.06,443.45 cw(c2733.06,435.95) 2740.56,435.95 2740.56,423.19 2736.05,408.61 cw(c2714.76,423.19) 2735.37,407.67
  BOTTOM w5: v1(2704.72,405.51) 2704.72,363.11 C49.2@2704.84,362.99
PCIE_TX1_P: C48.2 P1.4-24 | length 616.1
  TOP w5: v1(2759.84,795.28) ccw(c2749.41,805.7) 2764.16,805.7 P1.4-24@2764.16,878.87
  IN2 w5: v1(2665.35,405.51) 2671.5,399.36 ccw(c2707.67,435.44) 2735.09,392.34 ccw(c2715.99,422.35) 2751.56,422.35 ; 2751.56,422.4 2751.56,775.14 cw(c2779.83,775.14) 2759.84,795.13 v1(2759.84,795.28)
  BOTTOM w5: C48.2@2664.84,362.99 ccw(c2663.61,364.23) 2665.35,364.23 v1(2665.35,405.51)
PCIE_TX2_N: C51.2 P1.4-14 | length 614.9
  TOP w5: v1(2862.2,795.28) ccw(c2861.27,796.21) 2862.59,796.21 P1.4-14@2862.59,878.87
  IN2 w5: 2803.37,407.56 cw(c2833.1,409.1) 2811.93,430.04 2870.98,489.09 ccw(c2867.45,492.63) 2872.45,492.63 2872.45,770.53 ccw(c2837.46,770.53) v1(2862.2,795.28) ; 2803.37,407.52 ccw(c2825.13,408.85) 2809.69,393.46 ; 2809.72,393.43 ccw(c2825.34,409.29) 2840.51,393 ccw(c2837.11,396.67) 2842.11,396.67 2842.11,397.51 cw(c2848.02,397.51) 2843.84,401.68 cw(c2848.02,397.51) 2848.02,403.41 2849.25,403.41 ccw(c2849.25,410.59) v1(2854.33,405.51)
  BOTTOM w5: v1(2854.33,405.51) 2854.33,364.23 ccw(c2856.08,364.23) C51.2@2854.84,362.99
PCIE_TX2_P: C50.2 P1.4-12 | length 618.8
  TOP w5: P1.4-12@2882.27,878.87 2882.27,822.87 ccw(c2921.29,822.87) v1(2893.7,795.28)
  IN2 w5: v1(2821.98,407.85) 2821.78,407.85 2821.68,407.76 2819.75,407.76 2818.51,406.52 2816.64,411.31 2816.32,412.12 2817.44,417.47 2836.89,436.92 cw(c2842.2,431.62) 2847.5,436.92 2851.52,432.9 ccw(c2856.82,438.21) 2862.13,432.9 ccw(c2856.82,438.2) 2862.13,443.51 2856.14,449.5 cw(c2861.44,454.8) 2856.14,460.11 cw(c2861.44,454.8) 2866.74,460.11 2872.73,454.11 ccw(c2878.04,459.42) 2883.34,454.11 ccw(c2878.04,459.42) 2883.34,464.72 2879.32,468.74 cw(c2884.62,474.05) 2879.32,479.35 2881.09,481.12 2881.97,482 ; 2881.99,482.02 ccw(c2878.45,485.55) 2883.45,485.55 2883.45,509.18 2883.45,770.53 cw(c2918.44,770.53) v1(2893.7,795.28)
  BOTTOM w5: C50.2@2819.84,362.99 cw(c2822.12,365.27) 2818.9,365.27 2818.9,403.27 cw(c2823.9,403.23) v1(2821.98,407.85)
PCIE_TX3_N: C53.2 P1.4-19 | length 809
  TOP w5: v1(2799.21,976.38) ccw(c2799.21,980.7) 2803.53,980.7 P1.4-19@2803.53,1038.31 P1.4-19@2803.84,1038
  IN2 w5: v1(2799.21,976.38) 2799.21,976.23 2800.65,974.79 cw(c2784.14,958.28) 2807.49,958.28 ccw(c2830.84,958.28) 2814.33,941.77 2895.91,860.19 cw(c2825.2,789.48) 2925.2,789.48 2925.2,470.02 ccw(c3025.94,469.83) 2953.48,399.84 ccw(c2957.08,403.31) 2953.61,399.71 2953.99,399.35 ccw(c2982.84,445.03) 2954.46,399.05 ccw(c2982.84,445.03) 2974.1,391.71 cw(c2973.29,386.77) 2974.81,391.54 ccw(c2980.46,409.15) 2983.72,390.94 cw(c2984.61,386.02) 2984.46,391.02 ccw(c2982.84,445.03) v1(3019.69,405.51)
  BOTTOM w5: v1(3019.69,405.51) 3019.69,363.15 C53.2@3019.84,362.99
PCIE_TX3_P: C52.2 P1.4-17 | length 810
  TOP w5: P1.4-17@2823.22,1038.31 2823.22,979.93 ccw(c2826.77,979.93) v1(2826.77,976.38)
  IN2 w5: v1(2826.77,976.38) 2826.77,976.23 2823.72,973.18 ccw(c2836.34,960.56) 2818.49,960.56 ccw(c2836.34,960.56) 2823.72,947.93 2917.32,854.33 cw(c2871.76,808.76) 2936.2,808.76 2936.2,498.39 2937.1,495.89 2938.02,493.34 ccw(c2945.07,495.89) 2945.07,488.39 2955.12,488.39 cw(c2955.12,480.89) 2955.12,473.39 2945.22,473.39 ccw(c2945.22,465.89) 2945.22,458.39 2966.74,458.39 cw(c2966.74,450.89) 2966.74,443.39 ccw(c2966.74,435.89) 2959.69,433.34 2962.9,424.43 2975.63,412.36 ccw(c3015.52,467.17) 2979.31,409.86 ccw(c3015.52,467.17) v1(2980.46,409.15)
  BOTTOM w5: C52.2@2979.84,362.99 ccw(c2978.7,364.13) 2980.31,364.13 2980.31,407.97 cw(c2985.31,407.97) 2980.39,408.85 v1(2980.46,409.15)
PRSNT: P2.A1 R23.1 R24.1 | length 1586.2
  TOP w8: v1(1797.84,355.06) 2050.06,607.28 R23.1@2503.94,607.28 R24.1@3055.12,607.28
  BOTTOM w8: P2.A1@1798.03,130.56 v1@1798.03,355.06
RTC_MFP: P1.3-51 U3.3 | length 3280.2
  TOP w8: P1.3-51@1776.55,1811.8 v1(1879.94,1811.8) v1@1882.68,1809.06 ; U3.3@2756.89,3187.2 2840.75,3187.2 3048.9,3395.35 3068.58,3395.35 v1(3068.9,3395.67)
  IN1 w8: v1(1879.94,1811.8) v1(3056.88,1811.8)
  IN2 w8: v1(3056.88,1811.8) 3056.88,2226.17 3072.83,2242.13 3072.83,3391.73 v1(3068.9,3395.67) v1@3064.96,3399.61
SCK: P1.1-25 U8.19 | length 4864.3
  TOP w8: v1(3392.84,1871.06) 3412.97,1850.94 3491.83,1850.94 P1.1-25@3492.02,1851.13 ; U8.19@6479.37,3332.11 6479.37,3425.59 v1(6479.84,3426.06)
  IN1 w8: v1(3436.84,3457.06) 3457.84,3436.06 6469.84,3436.06 v1(6479.84,3426.06)
  IN2 w8: v1(3392.84,1871.06) 3392.84,1949.06 3439.84,1996.06 3436.84,1999.06 v1(3436.84,3457.06)
SCL: IC?.2 P1.2-67 U3.16 U11.3 U13.2 | length 2594.4
  TOP w8: v1(2841.84,2263.06) 2841.84,2299.06 2862.58,2319.8 P1.2-67@2862.58,2358.81 ; U3.16@3111.22,3287.2 3127.56,3287.2 3134.78,3294.42 3134.78,3344.43 3247.05,3456.69 3297.55,3456.69 3306.18,3448.06 v1(3358.84,3448.06) 3377.84,3467.06 3403.13,3467.06 3414.84,3455.35 3414.84,3444.61 3423.85,3435.6 3423.85,3431.32 3428.54,3426.63 3435.54,3426.63 3451.22,3410.94 U11.3@3451.22,3395.2 ; IC?.2@3229.33,2845 3229.33,2880.55 v1(3344.84,2996.06) 3345.22,2995.69 U13.2@3444.49,2995.69
  IN1 w8: v1(2841.84,2263.06) v1(3342.84,2263.06)
  IN2 w8: v1(3342.84,2263.06) 3344.84,2265.06 v1(3344.84,2996.06) 3344.84,3286.78 3358.84,3300.78 v1(3358.84,3448.06)
SDA: IC?.4 P1.2-61 U3.15 U11.4 U13.10 | length 2801.1
  TOP w8: P1.2-61@2803.52,2358.81 2803.84,2358.49 v1(2803.84,2307.06) ; U3.15@3111.22,3237.2 3172.24,3237.2 3205.71,3270.67 3328.74,3270.67 3390.75,3332.68 ; IC?.4@3209.17,2814.96 3208.25,2815.88 3200.63,2815.88 3191.76,2824.75 3191.76,2924.04 3250.98,2983.27 3250.98,3042.32 3310.04,3101.38 3487.99,3101.38 3488.15,3101.53 3491.69,3101.53 3491.84,3101.38 3484.84,3094.38 U13.10@3484.84,3051.79 ; U11.4@3392.17,3395.2 3393.46,3393.91 3393.46,3335.46 ; 3393.46,3333.48 3393.46,3335.46 ; v1(3491.84,3297.06) 3431.85,3297.06 3393.46,3335.46
  IN1 w8: v1(2803.84,2307.06) 2837.84,2341.06 v1(3498.84,2341.06)
  IN2 w8: v1(3491.84,3297.06) 3492.84,3296.06 3492.84,2357.06 3501.84,2348.06 3497.84,2344.06 3499.84,2342.06 v1(3498.84,2341.06)
  other v1: 3491.84,3103.06
UART1_RXD: P1.2-77 R25.1 U6.1 | length 2440.9
  TOP w8: P1.2-77@2961,2358.81 2961,2311.9 v1(2985.84,2287.06) ; v1(3699.84,3836.06) 3701.57,3837.8 R25.1@3701.57,3861.06 3702.82,3859.81 3771.31,3859.81 U6.1@3772.56,3858.56
  IN1 w8: v1(3014.84,3831.06) 3014.84,3831.38 3019.53,3836.06 v1(3699.84,3836.06)
  IN2 w8: v1(2985.84,2287.06) 3013.36,2314.58 3013.36,2603.79 2998.84,2618.31 2998.84,2972.25 3021.84,2995.25 3021.84,3821.9 3014.84,3828.9 v1(3014.84,3831.06)
UART1_TXD: P1.2-71 R26.1 U6.4 | length 2410.2
  TOP w8: P1.2-71@2901.95,2358.81 2901.95,2304.95 2920.84,2286.06 v1(2942.84,2286.06) ; v1(3699.84,3751.06) 3701.57,3752.8 R26.1@3701.57,3786.06 3702.82,3784.81 3771.31,3784.81 U6.4@3772.56,3783.56
  IN1 w8: v1(2993.39,3751.06) v1(3699.84,3751.06)
  IN2 w8: v1(2942.84,2286.06) 2955.56,2286.06 2967.7,2298.2 2967.7,2447.99 2979.84,2460.13 2979.84,2971.63 2993.39,2985.17 v1(2993.39,3751.06)
pads on no net: IC?.5 IC?.7 J2.0 J3.0 J3.1 J3.4 J4.0 J4.1 J4.4 P1.1 P1.1-11 P1.1-12 P1.1-13 P1.1-14 P1.1-15 P1.1-16 P1.1-17 P1.1-18 P1.1-24 P1.1-26 P1.1-28 P1.1-31 P1.1-33 P1.1-36 P1.1-37 P1.1-38 P1.1-41 P1.1-42 P1.1-44 P1.1-47 P1.1-51 P1.1-52 P1.1-53 P1.1-55 P1.1-57 P1.1-58 P1.1-61 P1.1-63 P1.1-65 P1.1-66 P1.1-68 P1.1-72 P1.1-74 P1.1-76 P1.1-78 P1.1-79 P1.1-80 P1.2-1 P1.2-2 P1.2-3 P1.2-4 P1.2-5 P1.2-7 P1.2-12 P1.2-14 P1.2-15 P1.2-17 P1.2-18 P1.2-22 P1.2-24 P1.2-31 P1.2-32 P1.2-36 P1.2-38 P1.2-42 P1.2-44 P1.2-46 P1.2-48 P1.2-52 P1.2-54 P1.2-55 P1.2-56 P1.2-57 P1.2-58 P1.2-62 P1.2-63 P1.2-65 P1.2-66 P1.2-68 P1.2-73 P1.2-75 P1.2-76 P1.2-78 P1.3-3 P1.3-4 P1.3-5 P1.3-6 P1.3-7 P1.3-8 P1.3-11 P1.3-12 P1.3-13 P1.3-14 P1.3-15 P1.3-16 P1.3-17 P1.3-18 P1.3-22 P1.3-24 P1.3-25 P1.3-26 P1.3-27 P1.3-28 P1.3-32 P1.3-33 P1.3-34 P1.3-35 P1.3-36 P1.3-38 P1.3-41 P1.3-42 P1.3-43 P1.3-44 P1.3-45 P1.3-46 P1.3-47 P1.3-48 P1.3-52 P1.3-53 P1.3-54 P1.3-55 P1.3-56 P1.3-57 P1.3-58 P1.3-61 P1.3-62 P1.3-63 P1.3-64 P1.3-65 P1.3-66 P1.3-67 P1.3-68 P1.3-71 P1.3-72 P1.3-73 P1.3-74 P1.3-75 P1.3-76 P1.4-1 P1.4-2 P1.4-3 P1.4-4 P1.4-5 P1.4-6 P1.4-7 P1.4-8 P1.4-11 P1.4-13 P1.4-16 P1.4-22 P1.4-28 P1.4-34 P1.4-41 P1.4-42 P1.4-43 P1.4-44 P1.4-45 P1.4-46 P1.4-47 P1.4-48 P1.4-51 P1.4-52 P1.4-53 P1.4-54 P1.4-55 P1.4-56 P1.4-57 P1.4-58 P1.4-61 P1.4-62 P1.4-63 P1.4-64 P1.4-65 P1.4-66 P1.4-67 P1.4-68 P1.4-71 P1.4-72 P1.4-73 P1.4-74 P1.4-75 P1.4-76 P1.4-77 P1.4-78 P1.4-79 P1.4-80 P1.81 P1.82 P1.83 P1.84 P2.A5 P2.A6 P2.A7 P2.A8 P2.A19 P2.A32 P2.B5 P2.B6 P2.B9 P2.B10 P2.B11 P2.B12 P2.B30 U3.1 U3.4 U3.5 U3.6 U3.7 U3.8 U3.9 U3.10 U3.11 U3.12 U5. U5.7 U5.8 U6.2 U6.6 U6.7 U6.14 U6.15 U6.16 U8.1 U8.7 U8.8 U8.9 U8.12 U8.13 U8.21 U8.22 U8.23 U8.24 U9.0 U10.10 U10.11 U10.12 U10.13 U10.14 U10.16 U10.18 U10AL.1 U11.1 U11.7 U11.8 U11.9 U13.3 U13.7 U13.8 U14.0 U16.2 U16.6 U16.7 U16.14 U16.15 U16.16 X1.2 X1.3
copper on no net: | length 2328.5
  TOP w8: v1@2229.84,2586.06 2232.66,2583.24 2232.66,2518.25 ; v1(3529.84,3481.06) v1@3530.94,3479.96 ; 3537.34,2996.34 3547.77,2985.91
  IN1 w8: v1(2234.84,3506.06) 2525.9,3506.06 2569.9,3462.06 3037.18,3462.06 3056.18,3481.06 v1(3529.84,3481.06)
  IN2 w8: v1@2229.84,2586.06 2229.84,3498.9 2234.84,3503.9 v1(2234.84,3506.06)
  other v1: 2231.74,2584.16

## Polygon pours and split planes (outlines as drawn)
+5.0V on BOTTOM "+5.0V_L06_P012" (solid, pour order 12): 6934.84,1871.06 4154.84,1871.06 3824.84,2201.06 3824.84,3146.06 4349.84,3671.06 4349.84,3841.06 4349.84,4341.06 1355.84,4341.06 1355.84,3040.06 3784.84,611.06 6329.84,611.06 6934.84,1216.06
+3.3V on BOTTOM "+3.3V_L06_P011" (solid, pour order 11): 6504.84,2576.06 6304.84,2376.06 4639.84,2376.06 4349.84,2666.06 4349.84,3781.06 4184.84,3946.06 4064.84,3946.06 3804.84,3686.06 2709.84,3686.06 2349.84,3326.06 2349.84,2718.06 2014.84,2718.06 2014.84,4116.06 2014.84,4326.06 6329.84,4326.06 6504.84,4151.06
+12V on BOTTOM "+12V_L06_P010" (solid, pour order 10): 5989.84,3711.06 5879.84,3601.06 5879.84,3451.06 6334.84,2996.06 6334.84,2156.06 6409.84,2081.06 6819.84,2081.06 6909.84,1991.06 6909.84,1646.06 6589.84,1326.06 6589.84,1241.06 6649.84,1181.06 6779.84,1181.06 7087.6,1488.82 7087.6,3643.31 7024.84,3706.06
+3.3V_CLEAN on TOP "+3.3V_CLEAN_L01_P008" (solid, remove dead copper, pour order 8): 4620.84,3246.06 4620.84,2826.06 4502.84,2708.06 2827.84,2708.06 2672.84,2863.06 2672.84,3325.06 2898.84,3551.06 4315.84,3551.06
+5.0V on TOP "TOP-+5.0V" (solid, pour order 26): 6942.91,1846.46 6722.44,1846.46 6663.39,1787.4 6663.39,1295.28 6726.38,1295.28 6942.91,1511.81
+3.3V on TOP "TOP-+3.3V" (solid, pour order 24): 6805.12,2968.5 6460.63,2968.5 6460.63,2781.5 6450.79,2771.65 6106.3,2771.65 6106.3,2476.38 6116.14,2486.22 6332.68,2486.22 6332.68,2683.07 6352.36,2702.76 6805.12,2702.76
NetD2_2 on TOP "TOP-NetD2_2" (solid, pour order 20): 7001.97,3893.7 6470.47,3893.7 6470.47,3500 7001.97,3500
GND on SGND "GND_L02_P016" (solid, pour order 16): 581.84,188.06 581.84,512.06 1321.84,512.06 1321.84,188.06 1618.84,188.06 1618.84,470.06 1663.84,515.06 1735.84,515.06 1781.84,469.06 1781.84,21.06 1792.84,10.06 2190.84,10.06 2202.84,22.06 2202.84,314.06 2234.84,346.06 2262.84,346.06 2294.84,314.06 2294.84,21.06 2307.84,8.06 3100.84,8.06 3114.84,22.06 3114.84,509.06 7078.74,509.06 7078.74,4366.14 19.92,4366.14 7.84,4354.06 7.84,188.06
GND on SGND1 "GND_L05_P018" (solid, pour order 18): 576.92,184.13 576.92,508.13 1316.92,508.13 1316.92,184.13 1613.92,184.13 1613.92,466.13 1658.92,511.13 1730.92,511.13 1776.92,465.13 1776.92,17.13 1787.92,6.13 2185.92,6.13 2197.92,18.13 2197.92,310.13 2229.92,342.13 2257.92,342.13 2289.92,310.13 2289.92,17.13 2302.92,4.13 3095.92,4.13 3109.92,18.13 3109.92,505.13 7082.68,505.13 7082.68,4353.13 5.92,4353.13 2.92,4350.13 2.92,184.13

## Keep-outs
TOP:
  region: 0,175.18 590.55,175.18 ccw(c590.55,177.17) 592.53,177.17 592.53,499.98 1311.01,499.98 1311.01,312.99 ccw(c1312.99,312.99) 1312.99,311.01 1627.95,311.01 ccw(c1627.95,312.99) 1629.94,312.99 ccw(c1627.95,312.99) 1629.94,313.01 1629.94,430.12 cw(c1699.8,430.12) 1769.67,430.12 ccw(c1771.65,430.12) 1773.64,430.12 1773.64,541.34 ccw(c1771.65,541.34) 1771.65,543.32 0,543.32 ccw(c0,541.34) -1.98,541.34 -1.98,177.17 ccw(c0,177.17)
BOTTOM:
  region: 0,175.18 590.55,175.18 ccw(c590.55,177.17) 592.53,177.17 592.53,499.98 1311.01,499.98 1311.01,312.99 ccw(c1312.99,312.99) 1312.99,311.01 1627.95,311.01 ccw(c1627.95,312.99) 1629.94,312.99 ccw(c1627.95,312.99) 1629.94,313.01 1629.94,430.12 cw(c1699.8,430.12) 1769.67,430.12 ccw(c1771.65,430.12) 1773.64,430.12 1773.64,541.34 ccw(c1771.65,541.34) 1771.65,543.32 0,543.32 ccw(c0,541.34) -1.98,541.34 -1.98,177.17 ccw(c0,177.17)
Keep-Out Layer:
  rectangle: 1312.99,177.17 1627.95,312.99

## Other copper
TOP:
  rectangle net +3.3V_PCIE: 2057.09,236.22 2167.52,303.15
  rectangle net +12V_PCIE: 1783.46,235.24 1888.78,303.15
SGND:
  pour cut-out: 1765.75,-13.78 1765.75,225.39 3133.86,225.39 3133.86,-23.62
SGND1:
  pour cut-out: 1765.75,-13.78 1765.75,225.39 3133.86,225.39 3133.86,-23.62
BOTTOM:
  rectangle net +3.3V_PCIE: 2093.7,234.57 2167.52,302.48
  rectangle net +12V_PCIE: 1814.96,235.24 1888.78,303.15

## Silkscreen, mask and mechanical layers (free items; w line width, h text height)
Top Solder:
  rectangle: 1312.99,177.17 1627.95,312.99
  rectangle: 1769.68,-3.94 3124.02,226.38
Bottom Solder:
  rectangle: 1312.99,177.17 1627.95,312.99
  rectangle: 1769.68,-3.94 3124.02,226.38
Mechanical 1:
  the board outline again, w3.94
OUTLINE:
  lines w1: -0.12,177.91 590.88,177.91 590.88,502.91
  lines w3.94: -0.43,178.12 590.12,178.12 590.12,502.92 1312.56,502.92 1312.56,313.94 1627.52,313.94 1627.52,431.07 cw(c1699.37,431.07) 1771.22,431.07
DRAWING_ORIGIN:
  lines w1: -25.12,177.91 24.88,177.91 ; -0.12,152.91 -0.12,202.91
ASSEMBLY_BOTTOM:
  text "U*" at 6953.14,4207.92 h25
  text "U*" at 588,4193.58 h25

## Text inside footprints (layer, text, board x,y; h text height)
J3: Top Overlay "1" at 3984.45,3973.7 h60 r180
J4: Top Overlay "1" at 2402.57,4126.64 h60 r270
P1: Top Overlay "1" at 3543.43,2184.54 h60; Top Overlay "2" at 2068.43,2409.54 h60; Top Overlay "3" at 1668.43,2184.54 h60; Top Overlay "4" at 2068.43,934.54 h60